# Altium PCB netv2mvp-pvt1b.PCBDOC (part 1 of 7) (continued)
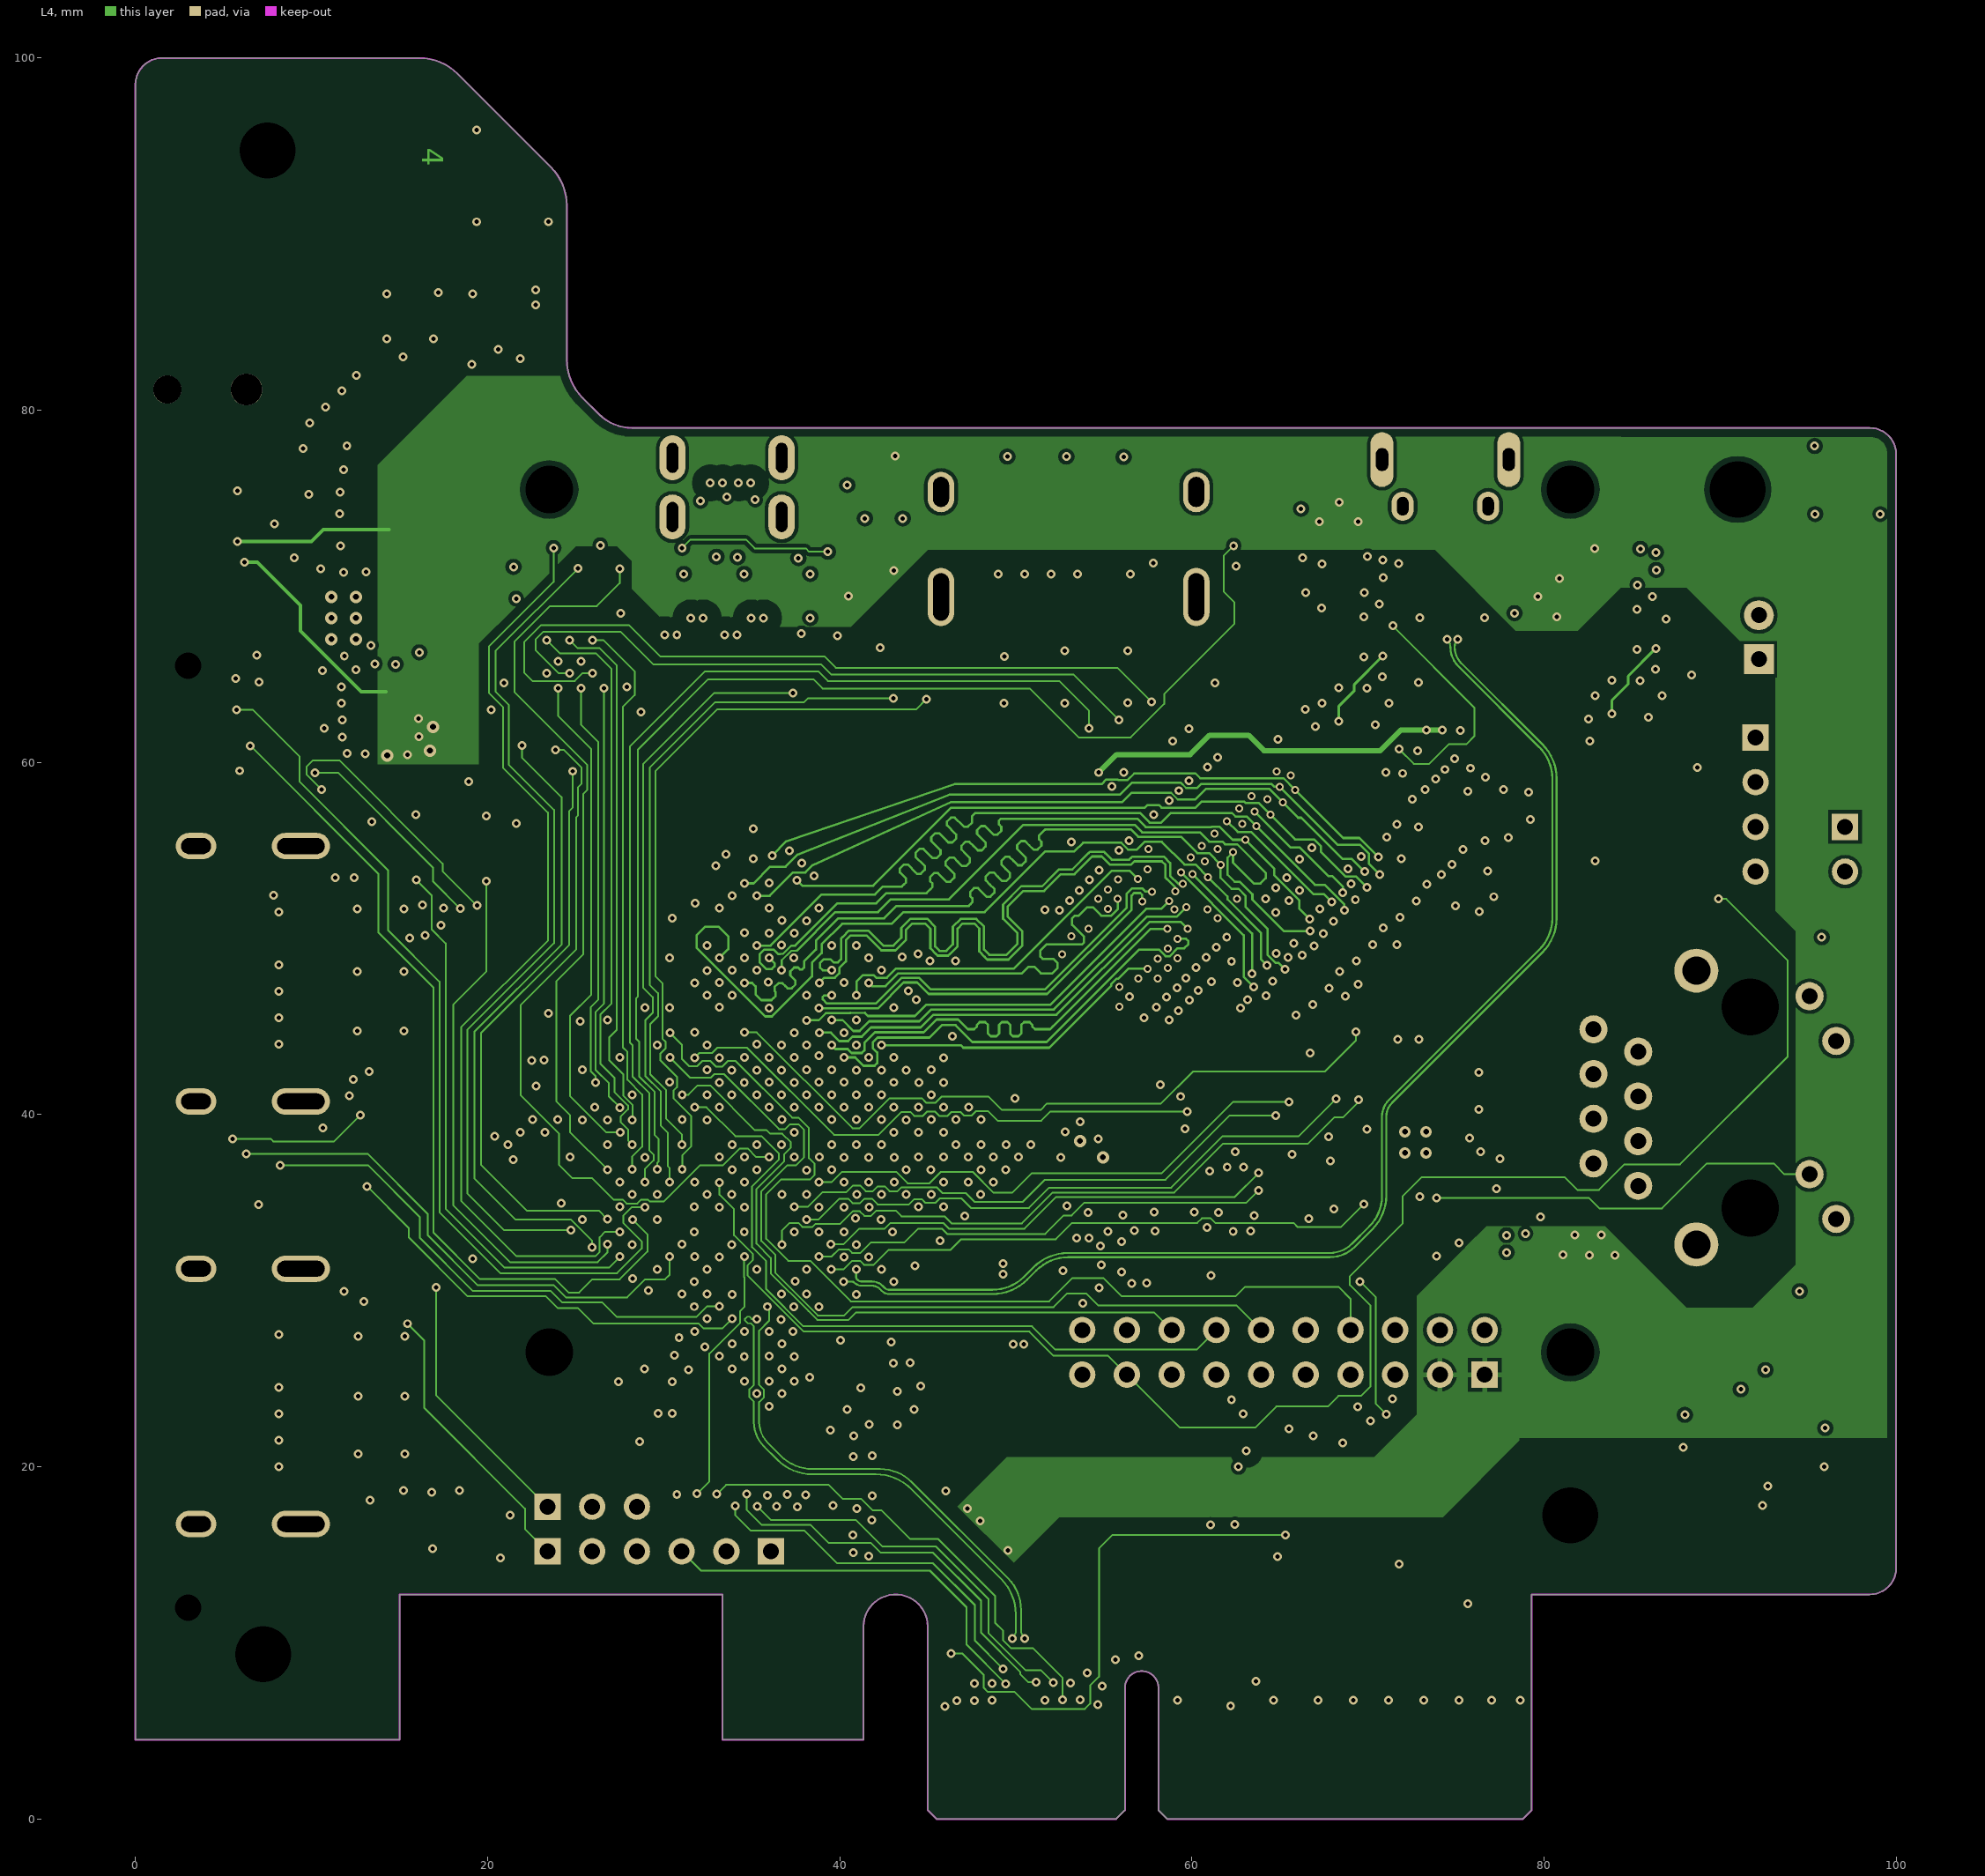
[diagram p4: L4]
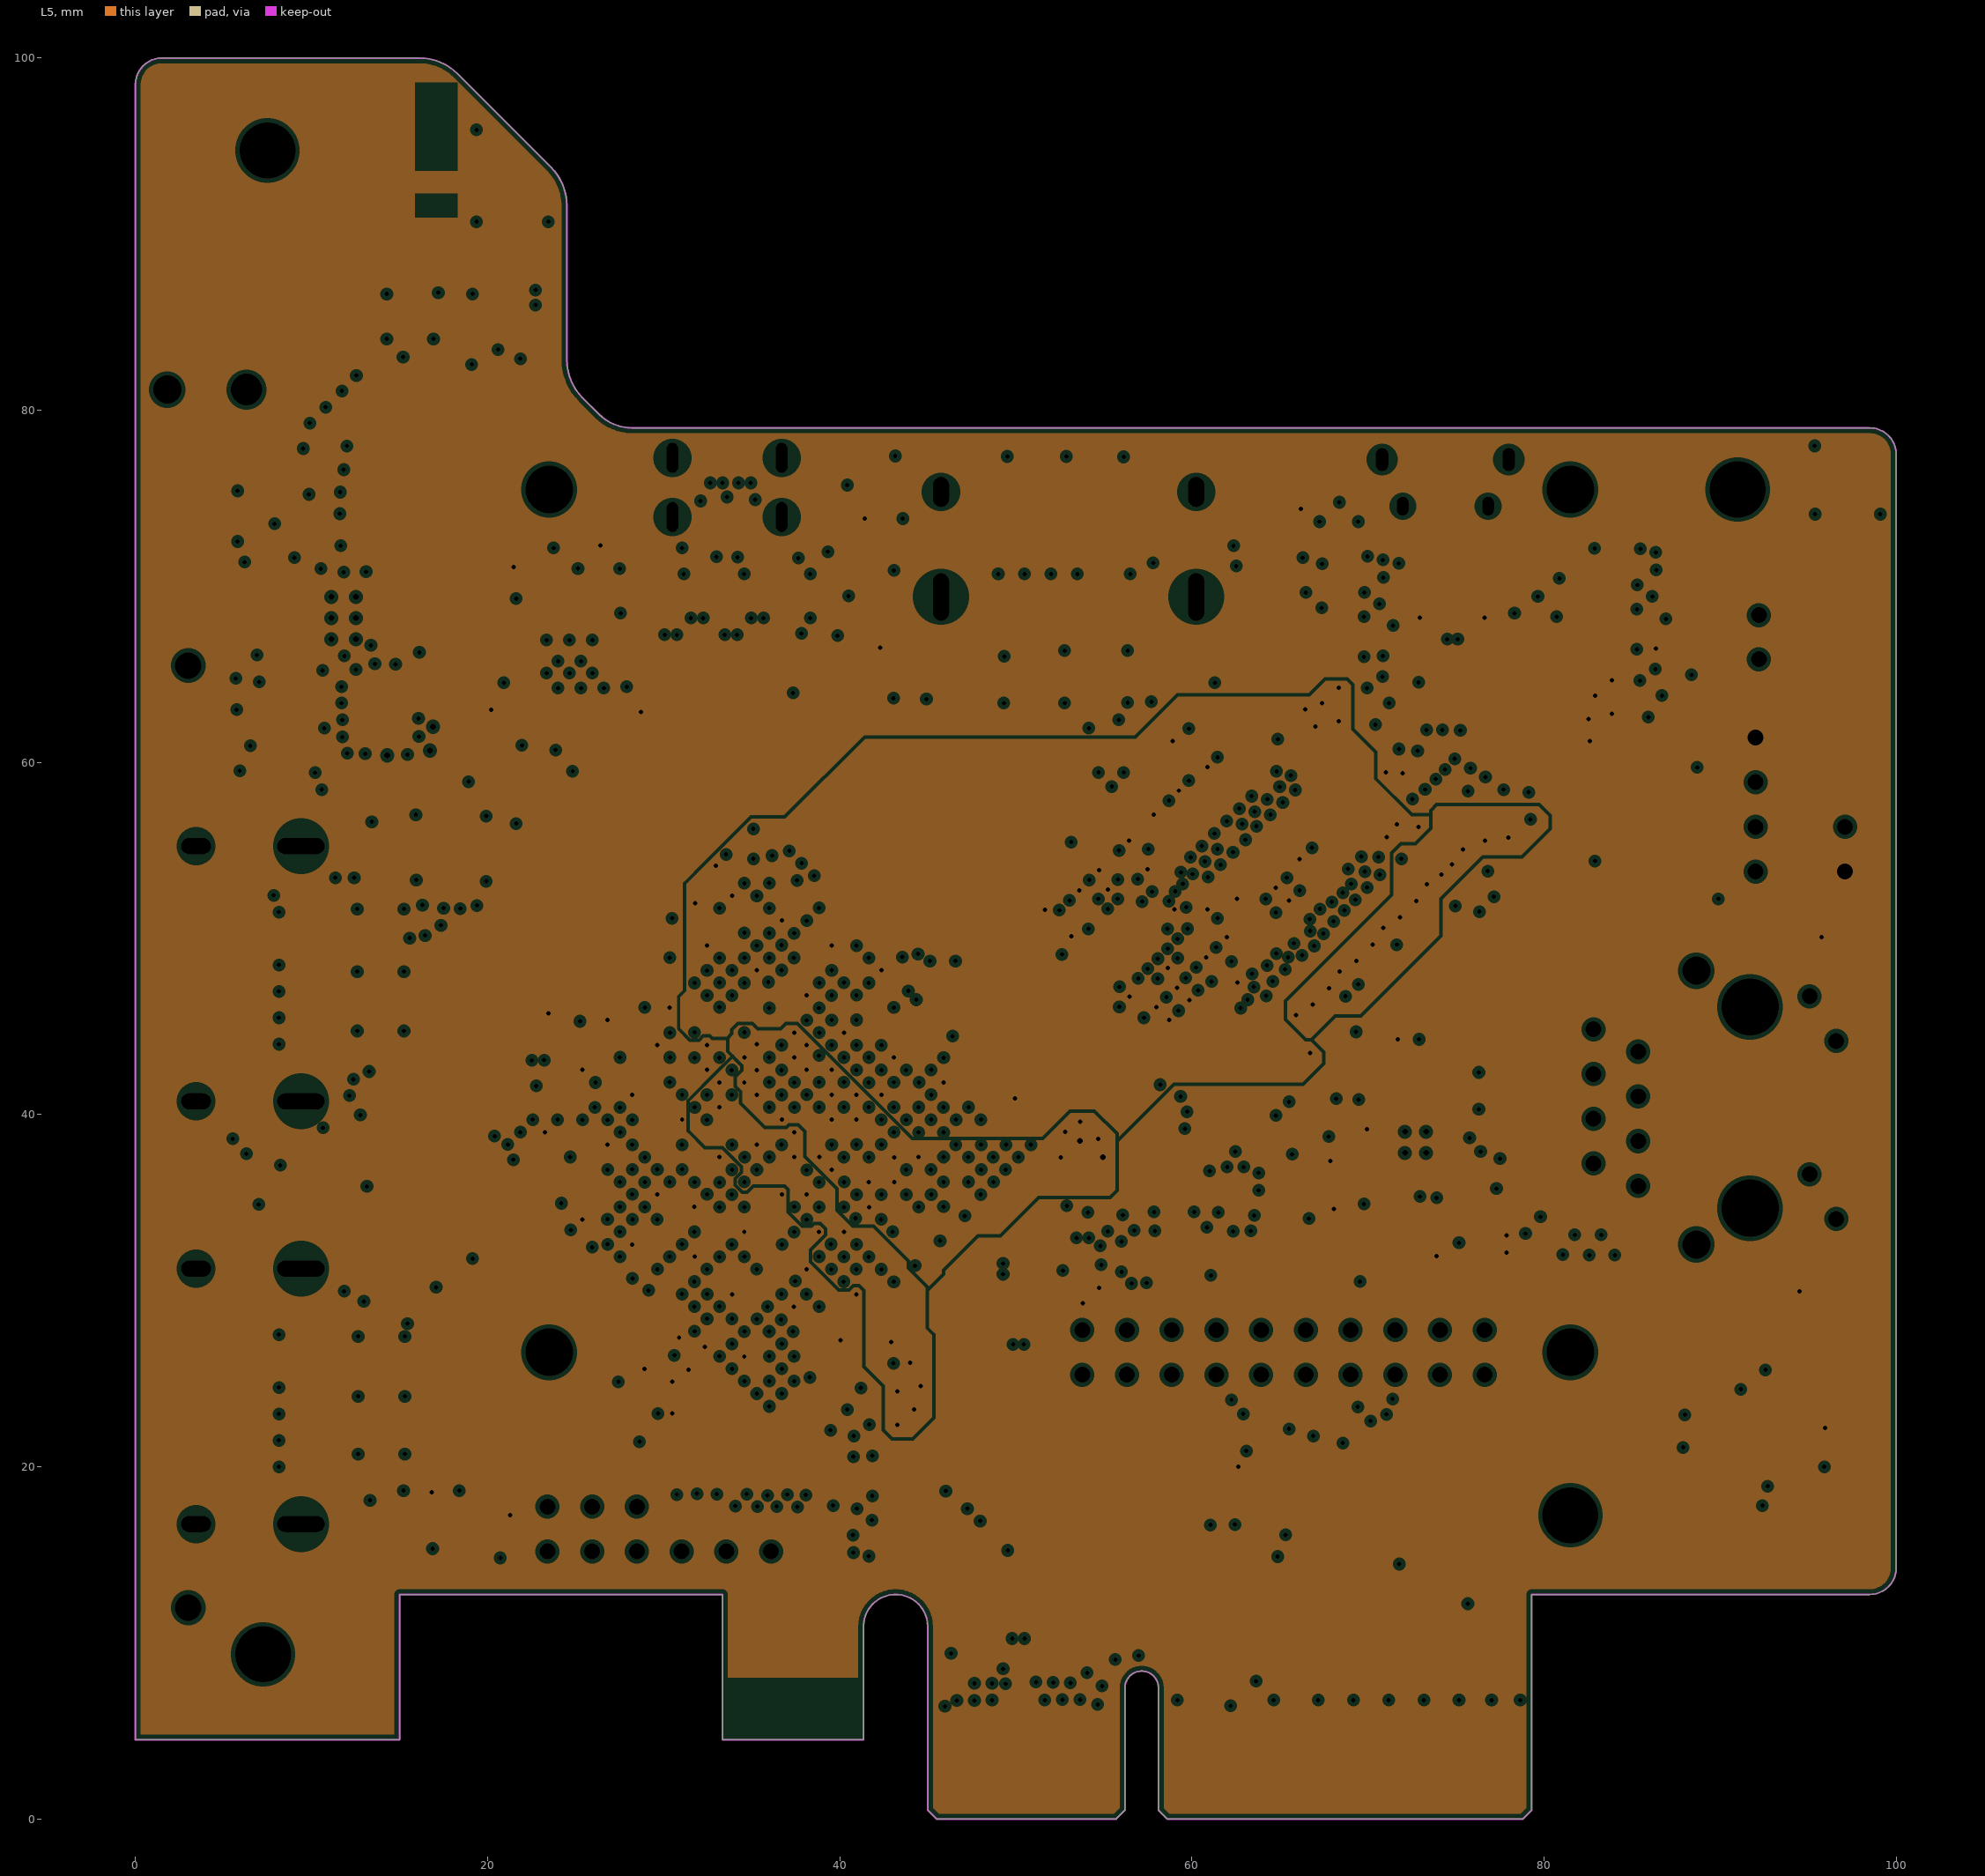
[diagram p5: L5, clearances drawn from the general rule]

## Layer stack, top to bottom
TopSolder: solder mask 0.0102, Solder Resist, Dk 3.6
L1: signal copper 0.0356
Dielectric1: core 0.0762, FR-4, Dk 3.9
L2: plane copper 0.0178, net GND
Dielectric4: prepreg 0.1016, FR-4, Dk 4.4
L3: signal copper 0.0178
Dielectric2: core 1.0566, FR-4, Dk 4.4
L4: signal copper 0.0178
Dielectric3: prepreg 0.1016, FR-4, Dk 4.4
L5: plane copper 0.0178, net (Multiple Nets)
Dielectric5: core 0.0762, FR-4, Dk 3.9
L6: signal copper 0.0356
BottomSolder: solder mask 0.0102, Solder Resist, Dk 3.6

## Board outline
0,4.5 15,4.5 15,12.75 33.35,12.75 33.35,4.5 41.35,4.5 41.35,10.925 cw(c43.175,10.925) 45,10.925 45,0.5 45.5,0 55.7,0 56.2,0.5 56.2,7.45 cw(c57.15,7.45) 58.1,7.45 58.1,0.5 58.6,0 78.8,0 79.3,0.5 79.3,12.75 98.5,12.75 ccw(c98.5,14.25) 100,14.25 100,77.5 ccw(c98.5,77.5) 98.5,79 28.2,79 cw(c28.2,81.656) 26.322,79.778 25.398,80.702 cw(c27.566,82.87) 24.5,82.87 24.5,91.63 ccw(c21.434,91.63) 23.602,93.798 18.298,99.102 ccw(c16.13,96.934) 16.13,100 1.5,100 ccw(c1.5,98.5) 0,98.5

## Design rules (kind name [scope] priority, off if disabled: settings)
BoardOutlineClearance [All] p1: gap=0.5 ignorepadtopadclearanceinfootprint=FALSE except(0: Arc-SplitContinuation Track-SplitContinuation SMDPad-SplitContinuation THPad-SplitContinuation Via-SplitContinuation Fill-SplitContinuation Poly-SplitContinuation Region-SplitContinuation Text-SplitContinuation)
Clearance Clearance_poly_Z [InPolygon vs InNetClass('B0_SE40') OR InNetClass('B1_SE40') OR InNetClass('B2_SE40') OR InNetClass('B3_SE40') OR InNetClass('SE40') OR InNetClass('SE45_HAX') OR InNetClass('ETH')] p1: gap=0.7 ignorepadtopadclearanceinfootprint=FALSE // polygon to impedance controlled line
Clearance Clearance_poly_diff [InPolygon vs (InDifferentialPairClass('All Differential Pairs'))] p2: gap=0.8 ignorepadtopadclearanceinfootprint=FALSE // Polygon to diff pair rule
Clearance "Basic Clearance_SE_Z" [(InNetClass('B0_SE40') OR InNetClass('B1_SE40') OR InNetClass('B2_SE40') OR InNetClass('B3_SE40') OR InNetClass('SE40') OR InNetClass('SE45_HAX'))] p3: gap=0.09 ignorepadtopadclearanceinfootprint=FALSE // basic clearance rule
Clearance Clearance_NPTH [PadIsPlated = 'False'] p4: gap=0.3 ignorepadtopadclearanceinfootprint=FALSE
Clearance "Clearance_Edge Connector" [(InComponentClass('Edge Connector')) vs (InComponentClass('Edge Connector'))] p5: gap=0.2 ignorepadtopadclearanceinfootprint=FALSE except(0: Arc-Hole Track-Hole SMDPad-Hole THPad-Hole Via-Hole Fill-Hole Poly-Hole Region-Hole Text-Hole)
Clearance "Basic Clearance" [All] p6: gap=0.1 ignorepadtopadclearanceinfootprint=FALSE except(0.2: Arc-Poly Arc-Region Arc-Hole Track-Poly Track-Region Track-Hole SMDPad-Poly SMDPad-Region SMDPad-Hole THPad-Poly THPad-Region THPad-Hole Via-Poly Via-Region Via-Hole Fill-Poly Fill-Region Fill-Hole Poly-Poly Poly-Region Poly-Hole Region-Region Region-Hole Text-Hole) // basic clearance rule
Clearance Clearance_internal_plane [InPolygon] p7: gap=0.2 ignorepadtopadclearanceinfootprint=FALSE
ComponentClearance [All] p1 off: gap=0.254 collisioncheckmode=3 verticalgap=0.254 showdistances=FALSE
DiffPairsRouting DiffPairsRouting_PCIE [InDifferentialPairClass('PCIE')] p1: maxlimit=0.2 minlimit=0.14 mostfreqgap=0.14 toplayer_minwidth=0.1 toplayer_maxwidth=0.15 toplayer_prefwidth=0.13 midlayer1_minwidth=0.1 midlayer1_maxwidth=0.15 midlayer1_prefwidth=0.13 midlayer2_minwidth=0.1 midlayer2_maxwidth=0.15 midlayer2_prefwidth=0.13 bottomlayer_minwidth=0.1 bottomlayer_maxwidth=0.15 bottomlayer_prefwidth=0.13 maxuncoupledlength=12
DiffPairsRouting DiffPairsRouting_100DP [(InNetClass('HDMI_CNR') OR InNetClass('HDMI_TX'))] p2: maxlimit=0.25 minlimit=0.1 mostfreqgap=0.2 toplayer_minwidth=0.099 toplayer_maxwidth=0.18 toplayer_prefwidth=0.099 midlayer1_minwidth=0.099 midlayer1_maxwidth=0.18 midlayer1_prefwidth=0.099 midlayer2_minwidth=0.099 midlayer2_maxwidth=0.18 midlayer2_prefwidth=0.099 bottomlayer_minwidth=0.099 bottomlayer_maxwidth=0.18 bottomlayer_prefwidth=0.099 maxuncoupledlength=6 // 100 ohm DP rule
DiffPairsRouting DiffPairsRouting_90DP [InDifferentialPair('USB_D') OR InDifferentialPairClass('HAX_DP') OR InDifferentialPairClass('PCI_DP') OR InDifferentialPairClass('USB')] p3: maxlimit=0.25 minlimit=0.13 mostfreqgap=0.13 toplayer_minwidth=0.111 toplayer_maxwidth=0.225 toplayer_prefwidth=0.111 midlayer1_minwidth=0.111 midlayer1_maxwidth=0.18 midlayer1_prefwidth=0.111 midlayer2_minwidth=0.111 midlayer2_maxwidth=0.18 midlayer2_prefwidth=0.111 bottomlayer_minwidth=0.111 bottomlayer_maxwidth=0.225 bottomlayer_prefwidth=0.111 maxuncoupledlength=6 // 90 ohm diff pair
DiffPairsRouting DiffPairsRouting_80DP [InDifferentialPair('DDR3_CK') OR InDifferentialPair('DDR3_DQS0') OR InDifferentialPair('DDR3_DQS1') OR InDifferentialPair('DDR3_DQS2') OR InDifferentialPair('DDR3_DQS3') OR InDifferentialPair('REFCLK')] p4: maxlimit=0.25 minlimit=0.1 mostfreqgap=0.14 toplayer_minwidth=0.1 toplayer_maxwidth=0.235 toplayer_prefwidth=0.13 midlayer1_minwidth=0.1 midlayer1_maxwidth=0.18 midlayer1_prefwidth=0.13 midlayer2_minwidth=0.1 midlayer2_maxwidth=0.18 midlayer2_prefwidth=0.13 bottomlayer_minwidth=0.1 bottomlayer_maxwidth=0.235 bottomlayer_prefwidth=0.13 maxuncoupledlength=6 // 80ohm DP rule
DiffPairsRouting DiffPairsRouting_generic [All] p5: maxlimit=0.25 minlimit=0.2 mostfreqgap=0.2 toplayer_minwidth=0 toplayer_maxwidth=0.18 toplayer_prefwidth=0.1 midlayer1_minwidth=0 midlayer1_maxwidth=0.18 midlayer1_prefwidth=0.1 midlayer2_minwidth=0 midlayer2_maxwidth=0.18 midlayer2_prefwidth=0.1 bottomlayer_minwidth=0 bottomlayer_maxwidth=0.18 bottomlayer_prefwidth=0.1 maxuncoupledlength=6 // basic diff pair rule
FabricationTestPointUsage TestPointUsage [All] p1: valid=0 allowmultiple=FALSE
FabricationTestpoint Testpoint [All] p1: side=3 testpointundercomponent=TRUE minsize=1.016 maxsize=2.54 preferedsize=1.524 minholesize=0.508 maxholesize=1.016 preferedholesize=0.813 testpointgrid=0.025 allowsidetop=TRUE allowsidebottom=TRUE usegrid=TRUE gridtolerance=0
Height "PCI Express Mini, \"Component height constraints\", Page 18, bottom side" [OnBottomLayer] p1: minheight=0 maxheight=1.35 prefheight=1.35
Height "PCI Express Mini, \"Component height constraints\", Page 18, top side" [OnTopLayer] p2: minheight=0 maxheight=2.4 prefheight=2.4
Height "PCI Express, Page 84, \"Component Height Constraints\" for solder side" [OnBottomLayer] p3: minheight=0 maxheight=2.67 prefheight=2.67
Height "PCI Express, Page 84, \"Component Height Constraints\" for component side" [OnTopLayer] p4: minheight=0 maxheight=14.47 prefheight=14.47
HoleSize [All] p1: absolutevalues=TRUE maxlimit=3 minlimit=0.25 maxpercent=80.000 minpercent=20.000
HoleToHoleClearance [All] p1: gap=0.2 allowstackedmicrovias=TRUE
MatchedLengths MatchedLengths_DDR_CLOCKS_STROBES [InxSignalClass('ADDR_PP1_1') OR InxSignalClass('ADDR_PP2_1') OR InxSignalClass('DATA_BL0_1') OR InxSignalClass('DATA_BL1_1') OR InxSignalClass('DATA_BL2_1') OR InxSignalClass('DATA_BL3_1')] p1: tolerance=0.6 checknetsindiffpair=TRUE checkdiffpairvsdiffpair=FALSE checkxsignals=FALSE checkothers=FALSE
MatchedLengths MatchedLengths_DATA_BL3_1 [InxSignalClass('DATA_BL3_1')] p2: tolerance=5 checknetsindiffpair=FALSE checkdiffpairvsdiffpair=TRUE checkxsignals=TRUE checkothers=TRUE
MatchedLengths MatchedLengths_DATA_BL2_1 [InxSignalClass('DATA_BL2_1')] p3: tolerance=5 checknetsindiffpair=FALSE checkdiffpairvsdiffpair=TRUE checkxsignals=TRUE checkothers=TRUE
MatchedLengths MatchedLengths_DATA_BL1_1 [InxSignalClass('DATA_BL1_1')] p4: tolerance=5 checknetsindiffpair=FALSE checkdiffpairvsdiffpair=TRUE checkxsignals=TRUE checkothers=TRUE
MatchedLengths MatchedLengths_DATA_BL0_1 [InxSignalClass('DATA_BL0_1')] p5: tolerance=5 checknetsindiffpair=FALSE checkdiffpairvsdiffpair=TRUE checkxsignals=TRUE checkothers=TRUE
MatchedLengths MatchedLengths_ADDR_PP2_1 [InxSignalClass('ADDR_PP2_1')] p6: tolerance=6 checknetsindiffpair=FALSE checkdiffpairvsdiffpair=TRUE checkxsignals=TRUE checkothers=TRUE
MatchedLengths MatchedLengths_ADDR_PP1_1 [InxSignalClass('ADDR_PP1_1')] p7: tolerance=6 checknetsindiffpair=FALSE checkdiffpairvsdiffpair=TRUE checkxsignals=TRUE checkothers=TRUE
MatchedLengths "Schematic Matched Net Lengths_1" [InNet('RX0_TMDS2_P')] p8: tolerance=0.051 checknetsindiffpair=TRUE checkdiffpairvsdiffpair=FALSE checkxsignals=FALSE checkothers=FALSE
MatchedLengths "Schematic Matched Net Lengths" [InNet('OV0_TMDS2_P')] p9: tolerance=0.051 checknetsindiffpair=TRUE checkdiffpairvsdiffpair=FALSE checkxsignals=FALSE checkothers=FALSE
MatchedLengths "Schematic Matched Net Lengths_5" [InNet('TX0_TMDS3_N')] p10: tolerance=1.016 checknetsindiffpair=FALSE checkdiffpairvsdiffpair=TRUE checkxsignals=TRUE checkothers=TRUE
MatchedLengths "Schematic Matched Net Lengths_4" [InNet('TX0_TMDS2_P')] p11: tolerance=1.016 checknetsindiffpair=FALSE checkdiffpairvsdiffpair=TRUE checkxsignals=TRUE checkothers=TRUE
MatchedLengths "Schematic Matched Net Lengths_3" [InNet('TX0_TMDS3_N')] p12: tolerance=0.051 checknetsindiffpair=TRUE checkdiffpairvsdiffpair=FALSE checkxsignals=FALSE checkothers=FALSE
MatchedLengths "Schematic Matched Net Lengths_2" [InNet('TX0_TMDS2_P')] p13: tolerance=0.051 checknetsindiffpair=TRUE checkdiffpairvsdiffpair=FALSE checkxsignals=FALSE checkothers=FALSE
MinimumAnnularRing [All] p1: minimumring=0.05
MinimumSolderMaskSliver [All] p1: minsoldermaskwidth=0.07
PlaneClearance [All] p1: clearance=0.24
PlaneConnect [All] p1: planeconnectstyle=Direct reliefexpansion=0.508 reliefentries=4 reliefconductorwidth=0.254 reliefairgap=0.254
PolygonConnect [All] p1: thpad.connectstyle=Relief thpad.reliefconductorwidth=0.3 thpad.reliefentries=4 thpad.polygonreliefangle="90 Angle" thpad.airgapwidth=0.2 smdpad.connectstyle=Relief smdpad.reliefconductorwidth=0.2 smdpad.reliefentries=4 smdpad.polygonreliefangle="45 Angle" smdpad.airgapwidth=0.15 via.connectstyle=Direct via.reliefconductorwidth=0.25 via.reliefentries=4 via.polygonreliefangle="90 Angle" via.airgapwidth=0.15
RoomDefinition 06debug [InComponentClass('06debug')] p1 off: confinementstyle=ConfineIn formatcopy=TRUE lockcomponents=FALSE outline 91.2,13.4 304.099,13.4 304.099,38.4 91.2,38.4
RoomDefinition 05io [InComponentClass('05io')] p2 off: confinementstyle=ConfineIn formatcopy=TRUE lockcomponents=FALSE outline -100,-100 -49.2,-100 -49.2,-74.6 -100,-74.6
RoomDefinition 04ddr3 [InComponentClass('04ddr3')] p3 off: confinementstyle=ConfineIn formatcopy=TRUE lockcomponents=FALSE outline -100,-100 -49.2,-100 -49.2,-74.6 -100,-74.6
RoomDefinition 03fpga [InComponentClass('03fpga')] p4 off: confinementstyle=ConfineIn formatcopy=TRUE lockcomponents=FALSE outline -100,-100 -49.2,-100 -49.2,-74.6 -100,-74.6
RoomDefinition 02config [InComponentClass('02config')] p5 off: confinementstyle=ConfineIn formatcopy=TRUE lockcomponents=FALSE outline -100,-100 -49.2,-100 -49.2,-74.6 -100,-74.6
RoomDefinition 01power [InComponentClass('01power')] p6 off: confinementstyle=ConfineIn formatcopy=TRUE lockcomponents=FALSE outline -100,-100 -49.2,-100 -49.2,-74.6 -100,-74.6
RoutingTopology RoutingTopology_DDRAddressAndControls [InNetClass('DDR_AddressAndControls')] p1: topology=Daisy_Simple
RoutingTopology [All] p2: topology=Shortest
RoutingVias [All] p1: holewidth=0.25 width=0.5 viastyle="Through Hole" minholewidth=0.2 minwidth=0.45 maxholewidth=0.35 maxwidth=0.7
ShortCircuit ShortCircuit_mounting [InComponent('P10X') or InComponent('P11X') vs OnLayer('KeepOutLayer')] p1: allowed=TRUE
ShortCircuit [All] p2: allowed=FALSE
SilkToSilkClearance [All] p1 off: silktosilkclearance=0.254
SilkToSolderMaskClearance SilkscreenOverComponentPads [IsPad] p1 off: minsilkscreentomaskgap=0.254 clearancetoexposedcopper=TRUE
SolderMaskExpansion [All] p1: expansion=0.07
SupplyNets SupplyNets_3 [InNet('VTT')] p1: voltage=750.0m
SupplyNets SupplyNets_2 [InNet('P1.5V_IO')] p2: voltage=1.500
SupplyNets SupplyNets_1 [InNet('P1.5V_D')] p3: voltage=1.500
SupplyNets [InNet('P1.5V')] p4: voltage=1.500
Width Width_45SE [(InNetClass('B0_SE40') OR InNetClass('B1_SE40') OR InNetClass('B2_SE40') OR InNetClass('B3_SE40') OR InNetClass('SE40') OR InNetClass('SE45_HAX'))] p1: maxlimit=2 minlimit=0.11 preferedwidth=0.13 toplayer_prefwidth=0.12 bottomlayer_prefwidth=0.12 minimp=50.000000 maximp=50.000000 favimp=50.000000 // 45 ohm SE rule
Width Width_basic [All] p2: maxlimit=2 minlimit=0.097 preferedwidth=0.1 minimp=50.000000 maximp=50.000000 favimp=50.000000
16 further rules are at their usual default settings.

## Classes and differential pairs
net class ETH: ETH_RXM ETH_RXP ETH_TXM ETH_TXP
component class 06debug: C10E C11E C11H C12E C13E C14E C15E C16E C17E C18E C19E C20E D10E D10F D11F D12F J10E J11E L10E L11E P12H R10E R11E R12E R13E R14E R15E R16E R16F R17E R17F R18E R18F R19E R20E R21E R23H R24H R28H R30H R39H TP10H TP11H TP12H TP13H U10E
component class 01power: C10P C11P C12P C13P C14P C15P C16P C17P C18P C19P C20P C21P C22P C23P C24P C25P C26P C27P C28P C29P C30P C31P C32P C33P C34P C35P C36P C37P C38P C39P C40P C41P C42P D10P D11P D12P JP10P L10P L11P L12P L13P L14P NT10P P10P Q10P R10P R11P R12P R13P R14P R15P R16P R17P R18P R19P R20P R21P R22P R23P R24P R25P R26P R27P R28P R29P R30P R31P R32P U10P U11P U12P U13P U14P U15P U16P
component class 02config: C10C C16C P10C P11C R10C R11C R12C SW10C U10C
component class 03fpga: C10F C11F C12F C13F C14F C15F C16F C17F C18F C19F C20F C21F C22F C23F C24F C25F C26F C27F C28F C29F C30F C31F C32F C33F C34F C35F C36F C37F C38F C39F C40F C41F C42F C43F C44F C45F C46F C47F C48F C49F C50F C51F C52F C53F C54F C55F C56F C57F C58F C59F C60F C61F C62F C63F C64F C65F C66F C67F C68F C69F C70F C71F C72F C73F C74F C75F C76F C77F C78F C79F C80F C81F C82F C83F C84F C85F C86F C87F C88F C89F C90F C91F C92F C93F C94F C95F C96F C97F C98F C99F P10F R10F R11F R12F R13F R14F R15F U10F U11F
component class 04ddr3: C10D C11D C12D C13D C14D C15D C16D C17D C18D C19D C20D C21D C22D C23D C24D C25D C26D C27D C28D C29D C30D C31D C32D C33D C34D C35D C36D C37D C38D C39D C40D C41D C42D C43D C44D C45D C46D C47D C48D C49D C50D C51D R10D R11D R12D R13D R14D RP10D RP11D RP12D RP13D RP14D RP15D U10D U11D
component class 05io: C10H C12H D10H D11H D12H D13H D14H D15H D16H D17H D18H D19H D20H D21H D22H D23H F10H F11H J10H J11H J12H P10H P11H P13H P14H P15H Q10H Q11H Q12H Q13H Q14H Q15H Q16H Q17H Q18H Q19H Q20H R10H R11H R12H R13H R14H R15H R16H R17H R18H R19H R20H R21H R22H R25H R26H R27H R29H R31H R32H R33H R34H R35H R36H R37H R38H R40H R41H R42H R43H R44H R45H R46H R47H R48H R49H R50H R51H U10H
net class B0_DP80: DDR3_DQS0_N DDR3_DQS0_P
net class B0_SE40: DDR3_DM0 DDR3_DQ0 DDR3_DQ1 DDR3_DQ2 DDR3_DQ3 DDR3_DQ4 DDR3_DQ5 DDR3_DQ6 DDR3_DQ7
net class B1_DP80: DDR3_DQS1_N DDR3_DQS1_P
net class B1_SE40: DDR3_DM1 DDR3_DQ8 DDR3_DQ9 DDR3_DQ10 DDR3_DQ11 DDR3_DQ12 DDR3_DQ13 DDR3_DQ14 DDR3_DQ15
net class B2_DP80: DDR3_DQS2_N DDR3_DQS2_P
net class B2_SE40: DDR3_DM2 DDR3_DQ16 DDR3_DQ17 DDR3_DQ18 DDR3_DQ19 DDR3_DQ20 DDR3_DQ21 DDR3_DQ22 DDR3_DQ23
net class B3_DP80: DDR3_DQS3_N DDR3_DQS3_P
net class B3_SE40: DDR3_DM3 DDR3_DQ24 DDR3_DQ25 DDR3_DQ26 DDR3_DQ27 DDR3_DQ28 DDR3_DQ29 DDR3_DQ30 DDR3_DQ31
net class DP80: DDR3_CK_N DDR3_CK_P
net class HDMI_CNR: OV0_TMDS0_N OV0_TMDS0_P OV0_TMDS1_N OV0_TMDS1_P OV0_TMDS2_N OV0_TMDS2_P OV0_TMDS3_N OV0_TMDS3_P RX0_TMDS0_N RX0_TMDS0_P RX0_TMDS1_N RX0_TMDS1_P RX0_TMDS2_N RX0_TMDS2_P RX0_TMDS3_N RX0_TMDS3_P
net class HDMI_TX: SM_N SM_P TX0_TMDS0_N TX0_TMDS0_P TX0_TMDS1_N TX0_TMDS1_P TX0_TMDS2_N TX0_TMDS2_P TX0_TMDS3_N TX0_TMDS3_P TX1_CLK_N TX1_CLK_P TX1_TMDS0_N TX1_TMDS0_P TX1_TMDS1_N TX1_TMDS1_P TX1_TMDS2_N TX1_TMDS2_P
net class PCIE_CLK: HAX_CLK_N HAX_CLK_P PCICLK_N PCICLK_P REFCLK_N REFCLK_P
net class PCIE_DAT: PER0_N PER0_P PER1_N PER1_P PER2_N PER2_P PER3_N PER3_P PERC0_N PERC0_P PERC1_N PERC1_P PERC2_N PERC2_P PERC3_N PERC3_P PET0_N PET0_P PET1_N PET1_P PET2_N PET2_P PET3_N PET3_P
net class SE40: DDR3_A0 DDR3_A1 DDR3_A2 DDR3_A3 DDR3_A4 DDR3_A5 DDR3_A6 DDR3_A7 DDR3_A8 DDR3_A9 DDR3_A10 DDR3_A11 DDR3_A12 DDR3_A13 DDR3_BA0 DDR3_BA1 DDR3_BA2 DDR3_CAS_N DDR3_CKE DDR3_CS0_N DDR3_ODT0 DDR3_RAS_N DDR3_WE_N
net class USB_NETS: FUSB_N FUSB_P FUSBD_N FUSBD_P
differential pair SM: +SM_P -SM_N
differential pair RX0_TMDS3: +RX0_TMDS3_P -RX0_TMDS3_N
differential pair RX0_TMDS2: +RX0_TMDS2_P -RX0_TMDS2_N
differential pair RX0_TMDS1: +RX0_TMDS1_P -RX0_TMDS1_N
differential pair RX0_TMDS0: +RX0_TMDS0_P -RX0_TMDS0_N
differential pair OV0_TMDS3: +OV0_TMDS3_P -OV0_TMDS3_N
differential pair OV0_TMDS2: +OV0_TMDS2_P -OV0_TMDS2_N
differential pair OV0_TMDS1: +OV0_TMDS1_P -OV0_TMDS1_N
differential pair OV0_TMDS0: +OV0_TMDS0_P -OV0_TMDS0_N
differential pair PET3: +PET3_P -PET3_N
differential pair PET2: +PET2_P -PET2_N
differential pair PET1: +PET1_P -PET1_N
differential pair PET0: +PET0_P -PET0_N
differential pair PER3: +PER3_P -PER3_N
differential pair PER2: +PER2_P -PER2_N
differential pair PER1: +PER1_P -PER1_N
differential pair PER0: +PER0_P -PER0_N
differential pair DDR3_CK: +DDR3_CK_P -DDR3_CK_N
differential pair DDR3_DQS0: +DDR3_DQS0_P -DDR3_DQS0_N
differential pair DDR3_DQS1: +DDR3_DQS1_P -DDR3_DQS1_N
differential pair DDR3_DQS2: +DDR3_DQS2_P -DDR3_DQS2_N
differential pair DDR3_DQS3: +DDR3_DQS3_P -DDR3_DQS3_N
differential pair FUSBD: +FUSBD_P -FUSBD_N
differential pair HAX_CLK: +HAX_CLK_P -HAX_CLK_N
differential pair PCICLK: +PCICLK_P -PCICLK_N
differential pair PERC0: +PERC3_P -PERC3_N
differential pair PERC1: +PERC0_P -PERC0_N
differential pair PERC2: +PERC1_P -PERC1_N
differential pair PERC3: +PERC2_P -PERC2_N
differential pair REFCLK: +REFCLK_P -REFCLK_N
differential pair TX0_TMDS0: +TX0_TMDS0_P -TX0_TMDS0_N